# KiCad board Wonderland.kicad_pcb (continued)
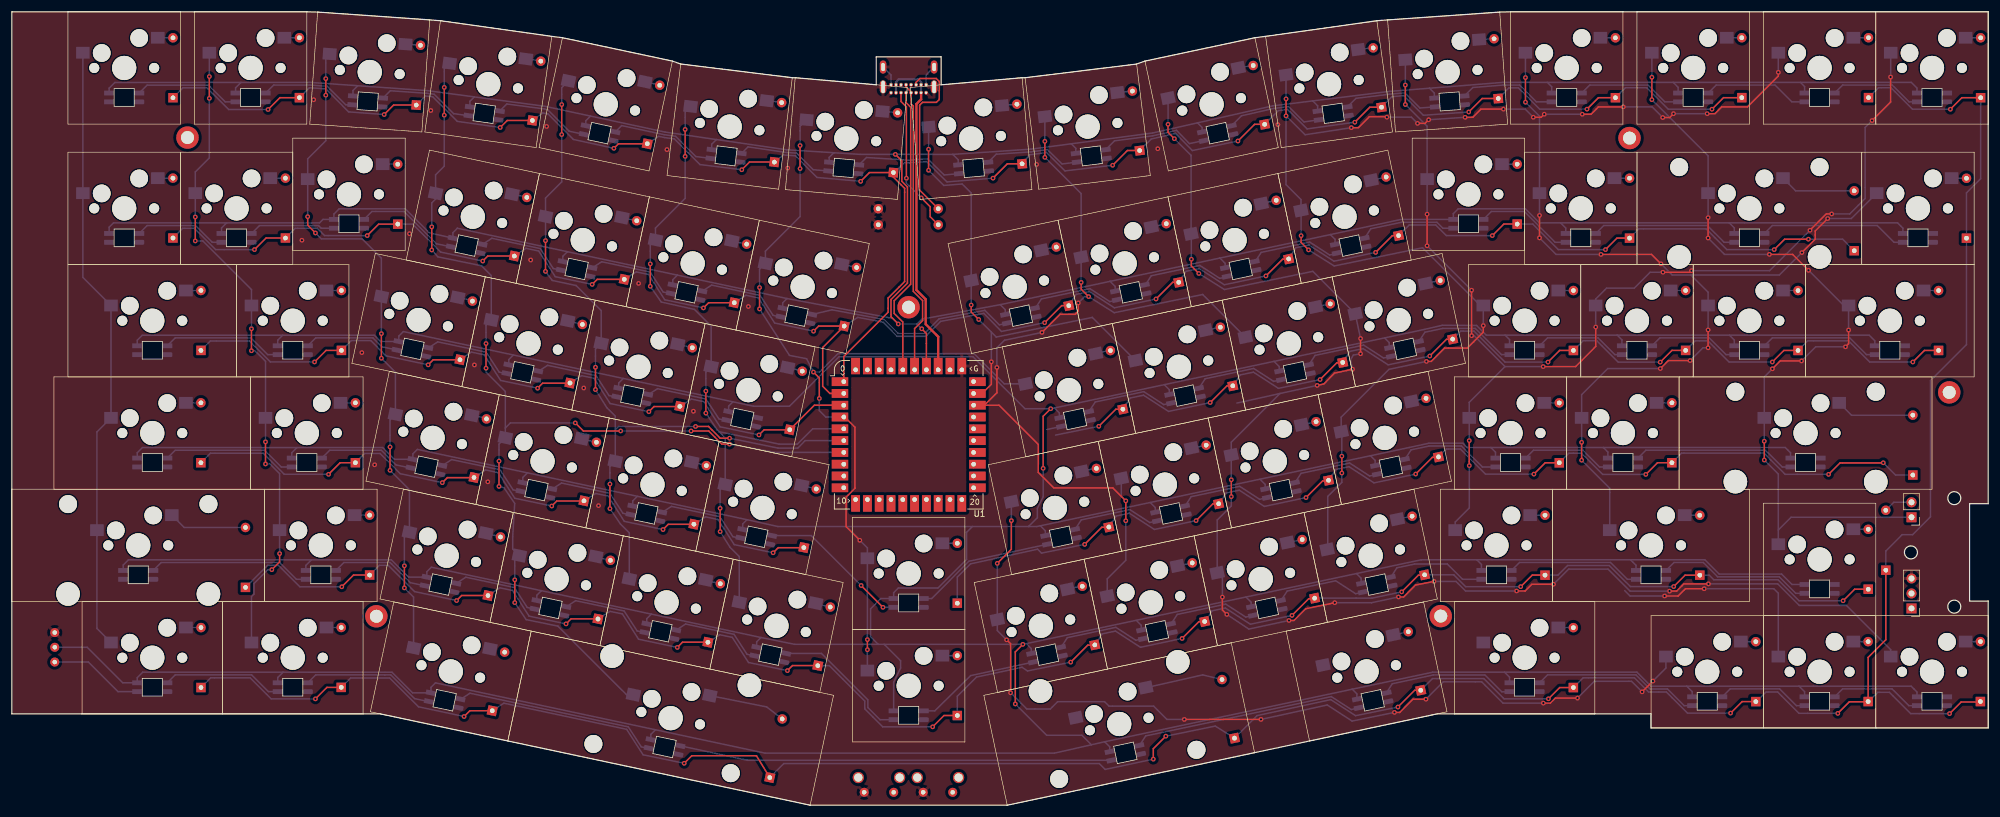
[diagram p0: board, top side]
## Routing (per net, layer and track width the routed paths; a pad name or vN(x,y) marks a point on that pad's centre or on a via; arc(x,y) is an arc through that point) (continued)
col13: length 139.8
  Top w0.254: v1(304.54,90.71) 301.84,93.41 v1(297.9,93.41) ; v1(310.81,77.74) 311.33,78.26 v1(311.33,80.59) ; v1(297.04,58.54) v1(297.04,61.73) ; v1(287.52,99.64) v1(287.52,96.19) ; v1(298.41,74.01) 299.74,75.34 v1(303.36,75.34) ; v1(277.99,123.45) v1(277.99,119.65)
  Bottom w0.254: v1(298.41,74.01) 297.04,72.64 KD13.1 297.04,61.73 v1(297.04,61.73) ; v1(297.04,58.54) 299.42,56.16 299.42,46.67 ; v1(303.36,75.34) 305.76,77.74 v1(310.81,77.74) ; v1(287.52,99.64) 287.51,99.65 KB13.1 287.51,110.13 v1(277.99,119.65) ; v1(297.9,93.41) 290.3,93.41 v1(287.52,96.19) ; v1(277.99,123.45) 277.99,123.45 277.99,127.61 ; 299.42,46.67 301.58,48.83 J2.1 ; 299.42,46.67 KE13.1 ; v1(304.54,90.71) 310.51,84.74 KC13.1 311.32,80.6 v1(311.33,80.59)
D+: length 50.8
  Top w0.25: U1.36 151.02,81.94 149.56,83.4 149.56,85.56 152.35,88.36 152.35,118.36 151.57,119.14 JUSB1.A6
  Bottom w0.25: JUSB1.B6 152.43,121.74 151.57,120.89 JUSB1.A6
D-: length 50.1
  Top w0.25: U1.35 153.02,80.83 154.38,82.19 154.38,85.57 152.81,87.14 152.81,118.55 152.43,118.93 JUSB1.A7 152.43,120.99 151.57,121.84 JUSB1.B7
RGB_Out: length 16.1
  Bottom w0.254: KF0.4 18,19.26 12.98,24.28 J4.1
row00: length 346
  Top w0.254: DA11.1 249.22,119.84 v1(246.94,117.56) ; v1(186.59,108.53) 189.09,111.03 DA8.1 ; v1(102.05,111.4) 102.81,112.16 DA4.1 ; DA10.1 230.18,118.37 v1(227.64,115.83) ; v1(207.82,112.64) 210.65,115.47 DA9.1 ; DA7.1 168.74,108.77 v1(166.31,106.34) ; DA3.1 83.97,116.12 v1(82.78,114.93) ; v1(288.17,118.03) 290.13,119.99 DA13.1 ; DA2.1 64.71,118.73 v1(63.11,117.13) ; DA5.1 125.03,109.07 v1(123.73,107.77) ; v1(143.88,105.8) 145.36,107.28 DA6.1 149.43,106.51 151.33,104.61 151.33,88.8 148.53,86 148.53,83.6 141.02,76.09 U1.1 ; DA1.1 45.45,119.99 v1(43.44,117.98) ; DA12.1 268.93,119.98 v1(266.99,118.04)
  Bottom w0.254: DA8.1 193.12,112.97 197.26,113.94 200.1,111.02 v1(207.82,112.64) ; v1(82.78,114.93) 75.51,115.97 71.34,120.14 70.1,120.28 DA2.1 ; DA0.1 29,121.66 33.08,121.66 36.76,117.98 v1(43.44,117.98) ; DA10.1 232.16,118.39 233.93,120.16 235.93,120.33 239.26,117 v1(246.94,117.56) ; 63.14,117.13 v1(63.11,117.13) 57.08,117.58 53.25,121.48 50.56,121.67 50.43,121.67 DA1.1 ; v1(288.17,118.03) 280.76,118.03 277.12,121.67 273.5,121.67 DA12.1 ; 102.04,111.4 v1(102.05,111.4) 95.19,112.9 90.88,117.24 89.98,117.4 DA3.1 ; v1(166.31,106.34) 158.5,105.7 155.04,109.15 152.14,108.93 151.37,108.97 DA6.1 ; v1(143.88,105.8) 136.48,106.46 132.81,110.14 131.42,110.22 130.81,110.28 DA5.1 ; DA11.1 253.75,121.65 255.36,121.65 258.97,118.04 v1(266.99,118.04) 266.98,118.04 ; v1(227.64,115.83) 219.54,114.69 216.25,117.99 214.68,117.79 212.35,115.47 DA9.1 ; 123.72,107.77 v1(123.73,107.77) 116.64,108.64 112.3,113 110.65,113.22 109.63,113.43 DA4.1 ; v1(186.59,108.53) 178.51,107.57 175.37,110.69 173.1,110.37 172.53,110.32 DA7.1
row01: length 341.6
  Top w0.254: DB12.1 272.07,96.17 v1(270.12,94.22) ; v1(117.23,84.33) 118.11,85.21 DB5.1 ; DB7.1 177.95,84.72 v1(175.06,81.83) ; v1(298.72,94.22) 300.49,95.99 v1(304.52,95.99) ; v1(41.13,94.22) 43.09,96.18 DB1.1 ; v1(79.82,92.28) 80.67,93.13 DB3.1 ; 216.42,92.59 215.4,92.59 v1(212.57,89.76) ; DB11.1 252.89,98.55 v1(250.94,96.6) ; U1.2 138.66,69.83 137.44,71.05 137.44,77.61 DB6.1 136.75,81.25 v1(135.89,80.39) ; DB2.1 62.18,98.54 v1(60.24,96.6) ; v1(193.94,85.85) 196.77,88.68 DB8.1 ; v1(98.37,88.32) 99.22,89.17 DB4.1 ; 235.01,96.58 233.99,96.58 v1(231.16,93.75)
  Bottom w0.254: DB0.1 28.96,97.83 30.94,97.83 34.55,94.22 v1(41.13,94.22) ; 216.38,92.62 217.62,94.53 219.86,95 224.1,92.25 v1(231.16,93.75) ; 135.88,80.39 v1(135.89,80.39) 129.3,81.77 126.55,86.03 124.43,86.48 DB5.1 ; v1(98.37,88.32) 92.11,89.63 89.3,93.98 87.14,94.44 DB3.1 ; v1(304.52,95.99) 310.32,95.99 DB13.1 ; DB7.1 180.4,86.63 182.64,87.1 186.88,84.35 v1(193.94,85.85) ; v1(60.24,96.6) 53.01,96.6 51.78,97.83 48.03,97.83 DB1.1 ; DB4.1 105.83,90.44 107.92,90.01 110.66,85.72 v1(117.23,84.33) ; v1(298.72,94.22) 290.69,94.22 287.17,97.74 275.77,97.74 DB12.1 ; 175.05,81.83 v1(175.06,81.83) 167.74,80.34 164.76,83.41 157.43,82.05 154.92,79.51 150.05,79.51 147.64,81.93 143.39,82.73 DB6.1 ; DB10.1 236.85,98.39 241.36,98.39 243.15,96.6 v1(250.94,96.6) ; v1(270.12,94.22) 262.13,94.22 257.8,98.55 DB11.1 ; DB2.1 67.95,98.54 72.69,93.8 v1(79.82,92.28) ; v1(212.57,89.76) 205.51,88.26 201.27,91.01 199.03,90.54 197.79,88.63
row02: length 298.9
  Top w0.254: U1.3 136.03,67.83 DC5.1 ; v1(203.12,68.28) 205.95,71.11 206.97,71.11 ; 188.34,67.15 187.13,67.15 v1(184.24,64.26) ; v1(260.38,75.15) 262.35,77.12 DC10.1 ; 244.19,79.01 243.17,79.01 v1(240.34,76.18) ; 225.6,75.02 224.58,75.02 v1(221.75,72.19) ; 94.56,71.57 89.97,71.57 v1(89.12,70.72) ; v1(279.4,75.14) 281.39,77.13 DC11.1 ; v1(298.4,75.16) 300.36,77.12 DC12.1 ; DC13.1 324.18,77.12 v1(322.22,75.16) ; v1(70.57,74.68) 71.42,75.53 75.93,75.53 ; v1(126.64,62.79) 127.5,63.65 131.83,63.65 ; DC1.1 53.27,77.13 v1(51.31,75.17) ; 113.19,67.61 108.86,67.61 v1(107.98,66.73)
  Bottom w0.254: v1(51.31,75.17) 43.83,75.17 40.27,78.73 33.66,78.73 DC0.1 ; DC1.1 57.53,78.79 60.85,78.79 63.44,76.2 v1(70.57,74.68) ; v1(107.98,66.73) 101.41,68.12 98.67,72.41 96.58,72.84 94.56,71.57 ; v1(298.4,75.16) 291.07,75.16 287.48,78.75 285.33,78.75 DC11.1 ; v1(240.34,76.18) 233.28,74.68 229.04,77.43 226.8,76.96 225.56,75.05 ; DC12.1 304.39,78.75 311.32,78.75 314.91,75.16 v1(322.22,75.16) ; v1(126.64,62.79) 120.05,64.17 117.3,68.43 115.18,68.88 113.19,67.61 ; 176.92,62.77 v1(184.24,64.26) ; 206.97,71.06 208.21,72.97 210.45,73.44 214.69,70.69 v1(221.75,72.19) ; DC9.1 245.58,80.4 247.84,80.4 253.09,75.15 v1(260.38,75.15) ; v1(89.12,70.72) 82.86,72.03 80.05,76.38 77.89,76.84 75.93,75.53 ; DC10.1 266.34,78.77 268.64,78.77 272.27,75.14 v1(279.4,75.14) ; v1(203.12,68.28) 196.06,66.78 191.82,69.53 189.58,69.06 188.34,67.15
row03: length 306.4
  Top w0.254: 185.95,47.13 184.74,47.13 v1(181.85,44.24) ; v1(53.69,56.12) 55.65,58.08 DD1.1 ; v1(237.95,56.16) 240.78,58.99 241.8,58.99 ; v1(307.94,56.11) 309.88,58.05 317.19,58.05 v1(317.21,58.07) ; 96.96,51.59 92.37,51.59 v1(91.52,50.74) ; v1(110.38,46.75) 111.26,47.63 115.59,47.63 ; v1(219.36,52.17) 222.19,55 223.21,55 ; DD11.1 259.91,58.07 v1(257.99,56.15) ; v1(72.97,54.7) 73.82,55.55 78.33,55.55 ; v1(200.73,48.26) 203.56,51.09 204.58,51.09 ; 134.23,43.67 129.9,43.67 v1(129.04,42.81) ; DD12.1 278.94,58.08 v1(276.96,56.1)
  Bottom w0.254: v1(276.96,56.1) 269.65,56.1 266.06,59.69 263.91,59.69 DD11.1 ; DD0.1 33.66,59.69 42.61,59.69 46.18,56.12 v1(53.69,56.12) ; DD6.1 160.26,38.69 162.5,40.93 173.87,43.42 174.53,42.75 v1(181.85,44.24) ; DD13.1 319.29,55.99 v1(317.21,58.07) ; v1(257.99,56.15) 249.78,56.15 245.53,60.4 243.16,60.4 DD10.1 ; v1(91.52,50.74) 85.26,52.05 82.45,56.4 80.29,56.86 78.33,55.55 ; v1(219.36,52.17) 212.3,50.67 208.06,53.42 205.82,52.95 204.58,51.04 ; v1(237.95,56.16) 230.89,54.66 226.65,57.41 224.41,56.94 223.17,55.03 ; 185.95,47.13 187.19,49.04 189.43,49.51 193.67,46.76 v1(200.73,48.26) ; v1(307.94,56.11) 300.58,56.11 296.98,59.71 283.01,59.71 DD12.1 ; v1(110.38,46.75) 103.81,48.14 101.07,52.43 98.98,52.86 96.96,51.59 ; 115.59,47.63 117.58,48.9 119.7,48.45 122.45,44.19 v1(129.04,42.81) ; v1(72.97,54.7) 65.84,56.22 62.41,59.65 59.81,59.65 DD1.1
row04: length 318.9
  Top w0.254: DE12.1 283.62,39.01 v1(281.69,37.08) ; DE13.1 312.36,36.63 v1(310.4,34.67) ; 118.01,27.64 113.68,27.64 v1(112.8,26.76) ; v1(156.08,13.29) 158,15.21 DE6.1 ; 239.43,39.01 238.41,39.01 v1(235.58,36.18) ; v1(55.93,37.04) 57.92,39.03 DE1.1 ; 80.75,35.56 76.24,35.56 v1(75.39,34.71) ; 183.58,27.15 182.37,27.15 v1(179.48,24.26) ; 136.65,23.68 132.32,23.68 v1(131.46,22.82) ; 202.21,31.11 201.19,31.11 v1(198.36,28.28) ; v1(216.99,32.19) 219.82,35.02 220.84,35.02 ; DE11.1 257.71,39.02 v1(255.75,37.06) ; 99.38,31.6 94.79,31.6 v1(93.94,30.75)
  Bottom w0.254: v1(55.93,37.04) 48.83,37.04 45.2,40.67 43.34,40.67 DE0.1 ; 99.38,31.6 101.4,32.87 103.49,32.44 106.23,28.15 v1(112.8,26.76) ; DE10.1 244.4,39.07 244.4,39.08 246.42,37.06 v1(255.75,37.06) ; v1(281.69,37.08) 274.34,37.08 270.77,40.65 263.7,40.65 262.07,39.02 DE11.1 ; v1(179.48,24.26) 172.16,22.77 171.23,23.39 163.51,21.73 160.26,18.48 DE6.1 ; v1(156.08,13.29) 147.62,13.29 144.57,16.34 144.57,17.67 138.57,23.67 DE5.1 ; v1(216.99,32.19) 209.93,30.69 205.69,33.44 203.45,32.97 202.21,31.06 ; DE9.1 227.85,35.11 230.56,35.11 v1(235.58,36.18) ; DE1.1 62.3,40.68 63.81,40.68 68.26,36.23 v1(75.39,34.71) ; v1(131.46,22.82) 124.87,24.2 122.12,28.46 120,28.91 118.01,27.64 ; v1(310.4,34.67) 302.92,34.67 299.36,38.23 288.49,38.23 287.71,39.01 DE12.1 ; 80.75,35.56 82.71,36.87 84.87,36.41 87.68,32.06 v1(93.94,30.75) ; 183.58,27.15 184.82,29.06 187.06,29.53 191.3,26.78 v1(198.36,28.28)
row05: length 469.2
  Top w0.254: v1(234.94,16.65) 237.78,19.49 DF5.1 ; v1(113.97,7.11) 115.25,8.39 126.21,8.39 126.22,8.38 DF3.1 ; DF13.1 317.64,28.06 314.64,25.06 DF8.1 ; v1(260.45,18.04) 262.36,19.95 DF6.1 ; v1(328.58,118.03) 330.53,119.98 DF11.1 ; v1(193.48,7.81) 193.48,9.59 v1(195.6,11.71) ; DF1.1 53.41,19.98 v1(51.46,18.03) ; v1(76.66,15.04) 77.64,16.02 DF2.1 ; DF7.1 293.28,17.57 v1(291.33,15.62) ; 314.75,17.54 311.46,17.54 v1(309.5,15.58) ; v1(328.44,15.53) 330.4,17.49 333.69,17.49
  Bottom w0.254: 314.62,17.49 316.27,19.14 318.25,19.14 321.86,15.53 v1(328.44,15.53) ; v1(195.6,11.71) 203.98,13.42 DF4.1 211.06,15.19 223.55,17.91 227.76,15.18 v1(234.94,16.65) ; v1(76.66,15.04) 68.93,16.69 64.05,21.57 57.43,21.57 DF1.1 ; DF6.1 266.33,21.6 275.03,21.6 277.43,19.2 280.44,19.2 284.02,15.62 v1(291.33,15.62) ; DF5.1 240.79,21.47 249.5,21.47 252.93,18.04 v1(260.45,18.04) ; DF0.1 33.71,21.6 40.4,21.6 43.97,18.03 v1(51.46,18.03) ; 295.68,17.54 297.33,19.19 299.31,19.19 302.92,15.58 v1(309.5,15.58) ; DF13.1 317.64,43.11 320.41,45.88 322.18,45.88 325.21,48.91 325.21,72.01 331.31,78.11 DF12.1 331.31,103.84 333.71,106.24 DF11.1 ; v1(328.58,118.03) 322.16,118.03 318.52,121.67 316.38,121.67 DF10.1 ; DF2.1 83.4,17.3 104.21,12.87 107,8.55 v1(113.97,7.11) ; DF3.1 130.85,7.06 184.33,7.06 185.32,6.07 v1(193.48,7.81)
Net-(DA0-A): length 2.6
  Bottom w0.254: DA0.2 27.31,130.15 KA0.2
Net-(DA1-A): length 2.6
  Bottom w0.254: KA1.2 48.75,130.15 DA1.2
Net-(DA2-A): length 2.6
  Bottom w0.254: 66.76,129.07 69.32,128.89
Net-(DA3-A): length 2.6
  Bottom w0.254: 87.14,126.56 89.68,126.2
Net-(DA4-A): length 2.6
  Bottom w0.254: 107.35,122.7 109.85,122.12
Net-(DA5-A): length 2.6
  Bottom w0.254: 127.97,119.49 130.51,119.18
Net-(DA6-A): length 2.6
  Bottom w0.254: 147.59,117.67 150.14,117.45
Net-(DA7-A): length 2.6
  Bottom w0.254: 167.81,118.67 170.36,118.89
Net-(DA8-A): length 2.6
  Bottom w0.254: 187.41,120.86 189.96,121.13
Net-(DA9-A): length 2.6
  Bottom w0.254: 207.89,125.05 210.42,125.45
Net-(DA10-A): length 2.6
  Bottom w0.254: 228.18,128.17 230.73,128.44
Net-(DA11-A): length 2.6
  Bottom w0.254: 248.7,129.85 251.26,129.98
Net-(DA12-A): length 2.6
  Bottom w0.254: DA12.2 269.26,130.14 KA12.2
Net-(DA13-A): length 2.5
  Bottom w0.254: DA13.2 290.69,130.15 KA13.2
Net-(DB0-A): length 2.6
  Bottom w0.254: DB0.2 27.3,106.33 KB0.2
Net-(DB1-A): length 2.6
  Bottom w0.254: DB1.2 46.37,106.33 KB1.2
Net-(DB2-A): length 2.6
  Bottom w0.254: KB2.2 65.41,108.71 DB2.2
Net-(DB3-A): length 2.6
  Bottom w0.254: 84.81,103.65 87.31,103.12
Net-(DB4-A): length 2.6
  Bottom w0.254: 103.4,99.64 105.91,99.11
Net-(DB5-A): length 2.6
  Bottom w0.254: 122.05,95.69 124.55,95.16
Net-(DB6-A): length 2.6
  Bottom w0.254: 140.71,91.73 143.21,91.19
Net-(DB7-A): length 2.6
  Bottom w0.254: 174.51,94.15 177.02,94.68
Net-(DB8-A): length 2.6
  Bottom w0.254: 193.13,98.05 195.64,98.58
Net-(DB9-A): length 2.6
  Bottom w0.254: 211.77,102.02 214.28,102.55
Net-(DB10-A): length 2.6
  Bottom w0.254: 230.43,105.99 232.94,106.52
Net-(DB11-A): length 2.6
  Bottom w0.254: DB11.2 252.59,108.71 KB11.2
Net-(DB12-A): length 2.6
  Bottom w0.254: KB12.2 271.64,106.33 DB12.2
Net-(DB13-A): length 13
  Bottom w0.254: DB13.2 302.35,104.19 KB13.2
Net-(DC0-A): length 2.6
  Bottom w0.254: DC0.2 32.05,87.28 KC0.2
Net-(DC1-A): length 2.5
  Bottom w0.254: KC1.2 55.86,87.28 DC1.2
Net-(DC2-A): length 2.6
  Bottom w0.254: 75.64,86.1 78.14,85.57
Net-(DC3-A): length 2.6
  Bottom w0.254: 94.23,82.09 96.74,81.56
Net-(DC4-A): length 2.6
  Bottom w0.254: 112.88,78.14 115.38,77.61
Net-(DC5-A): length 2.6
  Bottom w0.254: 131.54,74.18 134.04,73.64
Net-(DC6-A): length 2.6
  Bottom w0.254: 183.7,76.63 186.21,77.16
Net-(DC7-A): length 2.6
  Bottom w0.254: 202.32,80.53 204.83,81.06
Net-(DC8-A): length 2.6
  Bottom w0.254: 220.96,84.5 223.47,85.03
Net-(DC9-A): length 2.6
  Bottom w0.254: 239.62,88.47 242.13,89
Net-(DC10-A): length 2.6
  Bottom w0.254: DC10.2 262.11,87.28 KC10.2
Net-(DC11-A): length 2.6
  Bottom w0.254: KC11.2 281.17,87.29 DC11.2
Net-(DC12-A): length 2.5
  Bottom w0.254: DC12.2 300.21,87.28 KC12.2
Net-(DD0-A): length 2.5
  Bottom w0.254: DD0.2 32.04,68.23 KD0.2
Net-(DD1-A): length 2.5
  Bottom w0.254: DD1.2 58.23,68.23 KD1.2
Net-(DD2-A): length 2.6
  Bottom w0.254: 78,66.12 80.5,65.59
Net-(DD3-A): length 2.6
  Bottom w0.254: 96.59,62.11 99.1,61.58
Net-(DD4-A): length 2.6
  Bottom w0.254: 115.24,58.16 117.74,57.63
Net-(DD5-A): length 2.6
  Bottom w0.254: 133.9,54.2 136.4,53.66
Net-(DD6-A): length 2.5
  Bottom w0.254: KD6.2 DD6.2
Net-(DD7-A): length 2.6
  Bottom w0.254: 181.27,56.62 183.78,57.15
Net-(DD8-A): length 2.6
  Bottom w0.254: 199.89,60.52 202.4,61.05
Net-(DD9-A): length 2.6
  Bottom w0.254: 218.53,64.49 221.04,65.02
Net-(DD10-A): length 2.6
  Bottom w0.254: 237.19,68.46 239.7,68.99
Net-(DD11-A): length 2.6
  Bottom w0.254: KD11.2 262.29,68.23 DD11.2
Net-(DD13-A): length 13.3
  Bottom w0.254: 309.75,68.21 311.83,66.13 322.23,66.13
Net-(DE1-A): length 2.6
  Bottom w0.254: DE1.2 58.09,49.19 KE1.2
Net-(DE2-A): length 2.6
  Bottom w0.254: 80.33,46.07 82.84,45.54
Net-(DE3-A): length 2.6
  Bottom w0.254: 98.93,42.06 101.44,41.53
Net-(DE4-A): length 2.6
  Bottom w0.254: 117.57,38.11 120.08,37.58
Net-(DE5-A): length 2.6
  Bottom w0.254: 136.24,34.15 138.74,33.61
Net-(DE6-A): length 2.5
  Bottom w0.254: KE6.2 DE6.2
Net-(DE7-A): length 2.6
  Bottom w0.254: 178.9,36.65 181.41,37.18
Net-(DE8-A): length 2.6
  Bottom w0.254: 197.52,40.55 200.03,41.08
Net-(DE9-A): length 2.6
  Bottom w0.254: 216.16,44.52 218.67,45.05
Net-(DE10-A): length 2.6
  Bottom w0.254: 234.82,48.49 237.33,49.02
Net-(DE11-A): length 2.5
  Bottom w0.254: KE11.2 259.88,49.18 DE11.2
Net-(DE12-A): length 2.6
  Bottom w0.254: DE12.2 286.1,49.18 KE12.2
Net-(DE13-A): length 2.5
  Bottom w0.254: DE13.2 314.65,46.8 KE13.2
Net-(DF0-A): length 2.6
  Bottom w0.254: DF0.2 32.06,30.13 KF0.2
Net-(DF1-A): length 2.5
  Bottom w0.254: KF1.2 55.83,30.13 DF1.2
Net-(DF3-A): length 13.2
  Bottom w0.254: DF3.2 127.94,16.67 KF3.2
Net-(DF4-A): length 13.2
  Bottom w0.254: 205.09,21.31 201.84,22.1 192.27,19.94
Net-(DF5-A): length 2.6
  Bottom w0.254: 234.16,28.86 236.67,29.39
Net-(DF6-A): length 2.6
  Bottom w0.254: DF6.2 264.66,30.13 KF6.2
Net-(DF7-A): length 2.6
  Bottom w0.254: KF7.2 295.59,27.75 DF7.2
Net-(DF8-A): length 2.5
  Bottom w0.254: DF8.2 314.63,27.75 KF8.2
Net-(DF9-A): length 2.5
  Bottom w0.254: DF9.2 333.66,27.75 KF9.2
Net-(DF10-A): length 2.6
  Bottom w0.254: DF10.2 312.13,130.15 KF10.2
Net-(DF11-A): length 2.5
  Bottom w0.254: KF11.2 331.17,130.14 DF11.2
Net-(DF12-A): length 2.5
  Bottom w0.254: KF12.2 328.8,106.32 DF12.2
Net-(JUSB1-CC1): length 25
  Top w0.254: v1(154.16,103) 155.66,101.49 155.66,99.8 R1.2 ; v1(151.63,106.32) 151.63,118.43 150.72,119.34 JUSB1.A5
  Bottom w0.254: v1(154.16,103) 154.15,103 151.63,105.52 v1(151.63,106.32)
Net-(JUSB1-CC2): length 30.5
  Top w0.254: R2.2 153.87,104.31 153.87,118.71 154.35,119.19 156.71,119.19 157.2,119.68 157.2,121.14 157.21,121.15 157.21,122.72 156.69,123.24 153.93,123.24 153.28,122.59 JUSB1.B5

## Copper pours and planes (outline as drawn; the poured copper is in the pictures)
GND on Top: 340,-4.45 -4,-4.45 -4,138.55 340,138.55
GND on Bottom: 340,-4.45 -4,-4.45 -4,138.55 340,138.55

## Text on the board
B.Silkscreen: Bootsel | Reset | RGB matrix / Output | GND | VCC | 5.1k | JLCJLCJLCJLC | Wonderland - rev 0.0 by Ciaanh
